# Allegro board MB1248D.brd (continued)
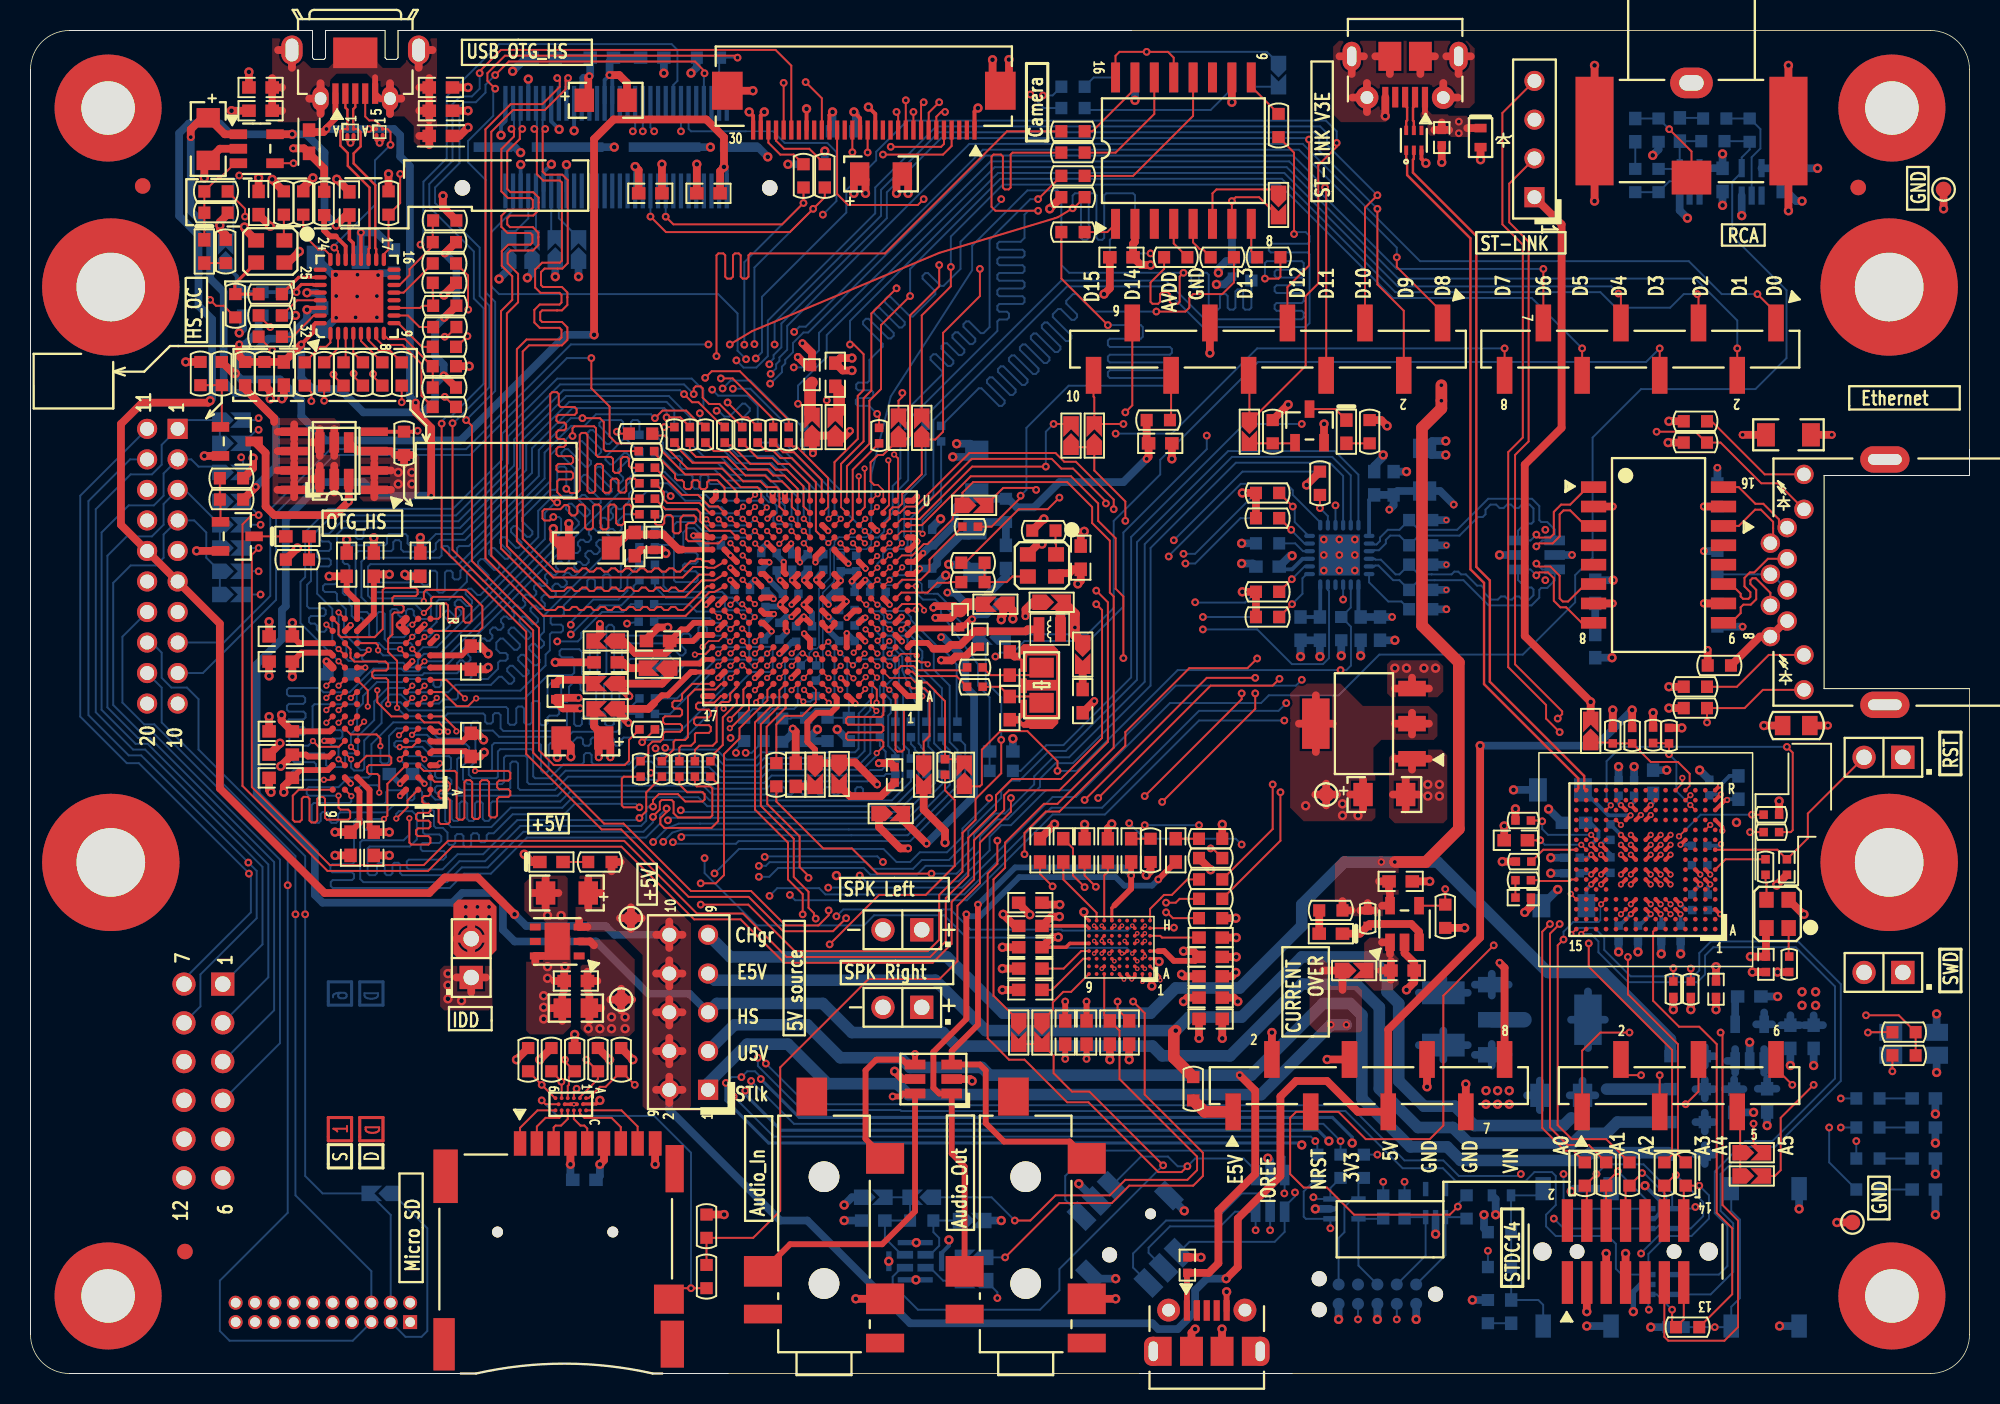
[diagram p0: board, top side]
## Footprints (pads in the part's own frame, mm; a bottom-side part is the same pattern mirrored in y, then rotated) (continued)
QSH-030-01-F-D-A
  round 1.016 hole 1.016 unplated: (-10.065,2.67) (10.065,2.67)
  rect 0.279x2.286 smd: 1(-7.25,-2.87) 2(-7.25,2.87) 3(-6.75,-2.87) 4(-6.75,2.87) 5(-6.25,-2.87) 6(-6.25,2.87) 7(-5.75,-2.87) 8(-5.75,2.87) 9(-5.25,-2.87) 10(-5.25,2.87) 11(-4.75,-2.87) 12(-4.75,2.87) 13(-4.25,-2.87) 14(-4.25,2.87) 15(-3.75,-2.87) 16(-3.75,2.87) 17(-3.25,-2.87) 18(-3.25,2.87) 19(-2.75,-2.87) 20(-2.75,2.87) 21(-2.25,-2.87) 22(-2.25,2.87) 23(-1.75,-2.87) 24(-1.75,2.87) 25(-1.25,-2.87) 26(-1.25,2.87) 27(-0.75,-2.87) 28(-0.75,2.87) 29(-0.25,-2.87) 30(-0.25,2.87) 31(0.25,-2.87) 32(0.25,2.87) 33(0.75,-2.87) 34(0.75,2.87) 35(1.25,-2.87) 36(1.25,2.87) 37(1.75,-2.87) 38(1.75,2.87) 39(2.25,-2.87) 40(2.25,2.87) 41(2.75,-2.87) 42(2.75,2.87) 43(3.25,-2.87) 44(3.25,2.87) 45(3.75,-2.87) 46(3.75,2.87) 47(4.25,-2.87) 48(4.25,2.87) 49(4.75,-2.87) 50(4.75,2.87) 51(5.25,-2.87) 52(5.25,2.87) 53(5.75,-2.87) 54(5.75,2.87) 55(6.25,-2.87) 56(6.25,2.87) 57(6.75,-2.87) 58(6.75,2.87) 59(7.25,-2.87) 60(7.25,2.87)
  rect 2.54x0.635 smd: 61(-8.065,0) 64(8.065,0)
  rect 4.699x0.635 smd: 62(-3.175,0) 63(3.175,0)
RCA_3SM_1TH_14X15
  oval 2.794x2.007 hole 1.6x1.016: 1(0,0)
  rect 2.591x2.21 smd: 2(0,6.2)
  rect 2.489x7.112 smd: 3(6.35,3.15) 4(-6.35,3.15)
RJ45_LED_KRJ-CB4R2GYZNL_EM
  round 1.27 hole 0.889: 1(3.57,-0.55) 2(2.55,0.55) 3(1.53,-0.55) 4(0.51,0.55) 5(-0.51,-0.55) 6(-1.53,0.55) 7(-2.55,-0.55) 8(-3.57,0.55) 9(7.06,-1.65) 10(4.77,-1.65) 11(-4.77,-1.65) 12(-7.06,-1.65)
  oval 1.727x3.226 hole 0.711x2.21: 13(-8.04,-6.95) 14(8.04,-6.95)
SB_0603
  round 0.152 smd: 1(-0.762,0) 2(0.762,0)
SC70-5
  rect 0.356x0.94 smd: 1(-0.65,-0.92) 2(0,-0.92) 3(0.65,-0.92) 4(0.65,0.92) 5(-0.65,0.92)
SIP2
  rect 1.524x1.524 hole 1.016: 1(0,0)
  round 1.524 hole 1.016: 2(2.54,0)
SOD-323
  rect 0.813x0.813 smd: 1(1.125,0) 2(-1.125,0)
SOIC8_1R27_4R9X6
  rect 0.559x1.778 smd: 1(-1.905,-2.624) 2(-0.635,-2.624) 3(0.635,-2.624) 4(1.905,-2.624) 5(1.905,2.624) 6(0.635,2.624) 7(-0.635,2.624) 8(-1.905,2.624)
SOIC16W_1R27_10R3X10R33
  rect 0.584x1.956 smd: 1(-4.445,-4.795) 2(-3.175,-4.795) 3(-1.905,-4.795) 4(-0.635,-4.795) 5(0.635,-4.795) 6(1.905,-4.795) 7(3.175,-4.795) 8(4.445,-4.795) 9(4.445,4.795) 10(3.175,4.795) 11(1.905,4.795) 12(0.635,4.795) 13(-0.635,4.795) 14(-1.905,4.795) 15(-3.175,4.795) 16(-4.445,4.795)
SOT23-5
  rect 0.635x1.143 smd: 1(-0.95,-1.2) 2(0,-1.2) 3(0.95,-1.2) 4(0.95,1.2) 5(-0.95,1.2)
SOT23-6
  rect 0.635x1.346 smd: 1(-0.95,-1.2) 2(0,-1.2) 3(0.95,-1.2) 4(0.95,1.2) 5(0,1.2) 6(-0.95,1.2)
SOT23-6L
  rect 0.635x1.346 smd: 1(-0.95,-1.2) 2(0,-1.2) 3(0.95,-1.2) 4(0.95,1.2) 5(0,1.2) 6(-0.95,1.2)
SOT-23
  rect 0.635x1.143 smd: 1(-0.95,-1.1) 2(0.95,-1.1) 3(0,1.1)
SOT-223
  rect 1.803x1.016 smd: 1(3.15,-2.3) 2(3.15,0) 3(3.15,2.3)
  rect 1.803x3.302 smd: 4(-3.15,0)
SOT-353
  rect 0.406x1.194 smd: 1(-0.65,-0.9) 2(0,-0.9) 3(0.65,-0.9) 4(0.65,0.9) 5(-0.65,0.9)
SQT-110-01-F-D-RA
  rect 1.321x1.321 hole 0.914: 1(9,1)
  round 1.321 hole 0.914: 2(7,1) 3(5,1) 4(3,1) 5(1,1) 6(-1,1) 7(-3,1) 8(-5,1) 9(-7,1) 10(-9,1) 11(9,-1) 12(7,-1) 13(5,-1) 14(3,-1) 15(1,-1) 16(-1,-1) 17(-3,-1) 18(-5,-1) 19(-7,-1) 20(-9,-1)
SSW-106-02-F-D-RA
  rect 1.524x1.524 hole 1.016: 1(0,0)
  round 1.524 hole 1.016: 2(-2.54,0) 3(-5.08,0) 4(-7.62,0) 5(-10.16,0) 6(-12.7,0) 7(0,-2.54) 8(-2.54,-2.54) 9(-5.08,-2.54) 10(-7.62,-2.54) 11(-10.16,-2.54) 12(-12.7,-2.54)
SSW-106-22-X-S-VS
  rect 1.016x2.413 smd: 1(-6.35,-1.714) 2(-3.81,1.714) 3(-1.27,-1.714) 4(1.27,1.714) 5(3.81,-1.714) 6(6.35,1.714)
SSW-108-22-X-S-VS
  rect 1.016x2.413 smd: 1(-8.89,-1.714) 2(-6.35,1.714) 3(-3.81,-1.714) 4(-1.27,1.714) 5(1.27,-1.714) 6(3.81,1.714) 7(6.35,-1.714) 8(8.89,1.714)
SSW-110-22-X-S-VS
  rect 1.016x2.413 smd: 1(-11.43,-1.714) 2(-8.89,1.714) 3(-6.35,-1.714) 4(-3.81,1.714) 5(-1.27,-1.714) 6(1.27,1.714) 7(3.81,-1.714) 8(6.35,1.714) 9(8.89,-1.714) 10(11.43,1.714)
TAN-A
  rect 1.27x1.524 smd: 1(1.397,0) 2(-1.397,0)
TAN-B
  rect 1.499x2.794 smd: 1(-1.714,0) 2(1.714,0)
TC2050-IDC-NL
  round 0.991 hole 0.991 unplated: (-3.81,0) (3.81,-1.015) (3.81,1.015)
  round 0.787 smd: 1(-2.54,-0.635) 2(-1.27,-0.635) 3(0,-0.635) 4(1.27,-0.635) 5(2.54,-0.635) 6(2.54,0.635) 7(1.27,0.635) 8(0,0.635) 9(-1.27,0.635) 10(-2.54,0.635)
TF_16SM_12R7X9R65
  rect 0.762x1.651 smd: 1(-4.445,-4.255) 2(-3.175,-4.255) 3(-1.905,-4.255) 4(-0.635,-4.255) 5(0.635,-4.255) 6(1.905,-4.255) 7(3.175,-4.255) 8(4.445,-4.255) 9(4.445,4.255) 10(3.175,4.255) 11(1.905,4.255) 12(0.635,4.255) 13(-0.635,4.255) 14(-1.905,4.255) 15(-3.175,4.255) 16(-4.445,4.255)
TP_C40
  round 1.016 smd: 1(0,0)
unnamed
  round 1.016 smd: (0,0)
XTAL_2SM_3R2X1R5
  rect 1.295x1.6 smd: 1(-1.15,0) 2(1.15,0)

## Nets
3V3_STLK: C61.2 C66.2 C122.2 C123.2 C124.2 C125.2 C126.2 C128.2 C129.2 C130.2 C131.2 C132.2 C133.2 C134.2 C135.2 C137.2 C138.2 C139.2 C140.2 C141.2 C144.2 C145.2 CN4.1 LD10.4 R110.1 R111.1 SB13.1 U9.C1 U9.C5 U9.C7 U9.C8 U9.C9 U9.F3 U9.G3 U9.G13 U9.H13 U9.J12 U9.J13 U9.K4 U9.N8 U9.N9 U9.N10 U9.P1 U9.R1 U20.5 X4.4
5V_USB_CHGR: C6.2 C53.1 CN2.1 D3.1 D5.1 JP6.9 R106.1 R109.2 U10.5
5V_USB_PWR: C75.2 CN14.1 D8.1 JP6.3
5V_USB_STLK: JP6.1 SB18.2
+1V8: C10.1 C42.1 C56.1 C57.1 C60.1 C85.1 CN15.60 R32.1 TP2.1 U4.28 U4.30 U8.2 U8.4 U12.D1 U12.D8 U12.G9
+3V3: B2.1 B2.4 C8.1 C9.1 C11.2 C13.1 C22.2 C23.1 C24.1 C25.1 C27.1 C29.1 C30.1 C35.1 C37.1 C38.1 C41.1 C44.1 C45.1 C59.1 C64.1 C65.1 C68.1 C69.2 C70.1 C79.2 C80.2 C81.2 C84.1 C99.2 C119.1 C121.1 C149.1 CN8.2 CN8.4 CN12.4 CN13.3 CN15.36 CN16.1 CN17.2 CN17.19 JP3.1 L8.2 LD1.1 LD2.1 LD3.1 LD4.1 P1.20 P1.30 P3.6 P3.12 R8.2 R9.1 R13.1 R17.2 R34.1 R46.2 R58.2 R63.1 R64.2 R68.1 R70.1 R71.2 R74.1 R75.1 R83.2 R99.2 R108.2 R115.1 R116.1 R117.1 R118.1 R119.1 R121.2 R123.2 R130.1 R131.1 R136.2 R177.1 R191.1 R192.1 R216.1 SB16.1 SB42.2 T3.4 T4.1 T4.2 T4.3 TP4.1 U3.2 U7.A7 U7.B2 U7.B7 U7.C9 U7.D9 U7.E1 U7.F9 U7.L1 U7.L7 U7.M9 U7.N9 U7.P2 U7.P7 U7.R7 U8.3 U11.2 U12.B2 U12.C2 U12.D2 U12.E9 U13.B1 U14.2 U15.5 U16.5 U18.9 X1.4 X2.4
+5V: C12.1 C54.1 CN8.5 JP6.2 JP6.4 JP6.6 JP6.8 JP6.10 L5.1 P2.6 P2.15 R85.2 R101.2 TP3.1 U2.5 U4.21 U11.3
GND: B1.1 B1.4 B3.5 B3.7 B3.8 C1.2 C2.2 C4.2 C5.2 C6.1 C7.2 C8.2 C9.2 C10.2 C11.1 C12.2 C13.2 C14.2 C16.1 C18.1 C19.2 C20.2 C21.1 C22.1 C23.2 C24.2 C25.2 C27.2 C28.1 C29.2 C30.2 C31.2 C32.1 C34.2 C35.2 C36.2 C37.2 C38.2 C40.1 C41.2 C42.2 C43.1 C44.2 C45.2 C46.2 C48.2 C49.2 C52.1 C53.2 C54.2 C55.1 C56.2 C57.2 C58.2 C59.2 C60.2 C61.1 C62.2 C63.1 C64.2 C65.2 C66.1 C67.1 C68.2 C69.1 C70.2 C73.1 C74.1 C75.1 C79.1 C80.1 C81.1 C82.1 C83.2 C84.2 C85.2 C86.2 C87.2 C88.1 C89.1 C90.1 C91.2 C92.2 C93.2 C94.2 C95.2 C96.2 C97.2 C98.2 C99.1 C100.2 C101.1 C102.2 C103.1 C104.2 C105.2 C106.2 C107.2 C108.2 C109.2 C110.2 C111.1 C112.1 C113.2 C114.1 C115.2 C116.2 C117.2 C118.2 C119.2 C120.1 C121.2 C122.1 C123.1 C124.1 C125.1 C126.1 C127.1 C128.1 C129.1 C130.1 C131.1 C132.1 C133.1 C134.1 C135.1 C136.1 C137.1 C138.1 C139.1 C140.1 C141.1 C142.1 C143.2 C144.1 C145.1 C146.2 C147.1 C148.2 C149.2 C150.2 CN2.5 CN2.6 CN2.7 CN2.8 CN2.9 CN2.10 CN2.11 CN3.1 CN3.3 CN3.4 CN4.3 CN5.7 CN8.6 CN8.7 CN10.3 CN11.3 CN12.6 CN12.9 CN13.5 CN13.7 CN14.5 CN14.6 CN14.7 CN14.8 CN14.9 CN14.10 CN14.11 CN15.1 CN15.6 CN15.7 CN15.12 CN15.13 CN15.18 CN15.19 CN15.61 CN15.62 CN15.63 CN15.64 CN16.3 CN16.5 CN17.1 CN17.20 D1.B1 D1.B2 D2.B1 D2.B2 D3.2 D4.2 D4.5 D9.2 D10.2 D11.2 D12.2 D13.2 D14.2 D15.2 H1.1 H2.1 H3.1 H4.1 H5.1 H6.1 H7.1 H8.1 JP1.1 L1.1 L4.1 LD8.2 LD10.1 P1.1 P1.14 P1.16 P1.23 P1.29 P1.31 P1.32 P2.5 P2.16 P3.5 P3.11 R10.2 R11.1 R14.2 R22.2 R30.2 R31.2 R44.2 R45.2 R57.2 R61.1 R79.2 R80.2 R81.2 R84.1 R86.2 R94.1 R95.1 R97.2 R98.2 R100.1 R107.1 R112.1 R128.1 R138.1 R163.2 R173.2 R190.2 R196.2 R214.2 SB9.2 SB26.2 SB27.2 SB28.2 SB29.2 SB43.1 T1.2 T2.2 T5.2 TP1.1 TP5.1 U1.3 U2.2 U3.10 U4.33 U6.A1 U6.A17 U6.B2 U6.C10 U6.C13 U6.G7 U6.G8 U6.G9 U6.G10 U6.G11 U6.G16 U6.H7 U6.H8 U6.H9 U6.H10 U6.H11 U6.J3 U6.J7 U6.J8 U6.J9 U6.J10 U6.J11 U6.J16 U6.J17 U6.K7 U6.K8 U6.K9 U6.K10 U6.K11 U6.K15 U6.L7 U6.L8 U6.L9 U6.L10 U6.L11 U6.L15 U6.M15 U6.N1 U6.N16 U6.P1 U6.R4 U6.R8 U6.U1 U6.U17 U7.A3 U7.B3 U7.B8 U7.C1 U7.D1 U7.E9 U7.F1 U7.L3 U7.L9 U7.M1 U7.N1 U7.P3 U7.P8 U7.R3 U8.1 U9.D5 U9.D7 U9.D8 U9.D9 U9.F2 U9.F6 U9.F7 U9.F8 U9.F9 U9.F10 U9.F12 U9.G2 U9.G6 U9.G7 U9.G8 U9.G9 U9.G10 U9.G12 U9.H6 U9.H7 U9.H8 U9.H9 U9.H10 U9.H12 U9.J6 U9.J7 U9.J8 U9.J9 U9.J10 U9.K6 U9.K7 U9.K8 U9.K9 U9.K10 U9.M1 U9.M8 U9.M9 U9.N1 U10.2 U11.6 U11.7 U12.A1 U12.A3 U12.A4 U12.A5 U12.C1 U12.D6 U12.E2 U12.E7 U12.E8 U12.F7 U12.G5 U12.H9 U13.B2 U13.B3 U13.B4 U14.10 U15.3 U16.3 U17.2 U18.25 U19.1 U20.2 U21.5 X1.2 X2.2 X4.2
GND-SD: C15.1 C26.1 C33.1 C39.1 C152.1 C153.2 SB9.1 U6.B6 U6.C16 U6.F2 U6.T12
GNDDETECT: CN13.11 R95.2 U9.K13
VBUS_HS: CN1.1 D2.A1 D7.1 JP6.5 L2.2
VDD_MCU: C36.1 C91.1 C93.1 C94.1 C95.1 C96.1 C97.1 C98.1 C100.1 C102.1 C104.1 C105.1 C106.1 C107.1 C108.1 C109.1 C110.1 C115.1 C116.1 C117.1 C118.1 JP3.2 L6.1 L7.1 SB10.1 SB49.1 U6.E6 U6.E9 U6.E11 U6.F5 U6.G5 U6.G13 U6.H5 U6.H13 U6.J13 U6.K5 U6.K13 U6.L5 U6.L13 U6.M5 U6.M13 U6.N7 U6.N8 U6.N10 U6.N11 U6.N12 U6.P17
VDD_SDC: L3.1 SB19.2 SB46.1 SB48.1 U6.G2
VDDA: C92.1 C101.2 L6.2 R158.1 U6.L1
VIN: C143.1 CN8.8 U19.3
A0: R199.1 U7.G8
A1: R198.1 U7.G9
A2: R185.1 U7.F7
A3: R186.1 U7.F3
A4: R197.1 U7.G1
A5: R184.1 U7.G2
A6: R143.1 U7.G3
A7: R145.1 U7.H1
A8: R53.1 U7.H2
A9: R147.1 U7.J3
A10: R55.1 U7.G7
A11: R54.1 U7.H9
A12: R172.1 U7.H3
A14: R168.1 U7.J7
A15: R169.1 U7.H8
BK2_IO0: R3.1 R125.1 R141.2
BK2_IO1: R19.2 R134.2 R139.2
BK2_IO2: R6.1 R124.1 R181.2
BK2_IO3: R18.2 R135.2 R178.2
BOOT0: R192.2 R196.1 U6.E8
CAMERA_CLK: P1.21 R24.2
D0: R67.1 U7.R8
D1: R65.1 U7.N7
D2: R182.1 U7.R9
D3: R180.1 U7.N8
D4: R52.1 U7.P9
D5: R51.1 U7.M8
D6: R148.1 U7.M7
D7: R146.1 U7.L8
D8: R151.1 U7.L2
D9: R149.1 U7.M3
D10: R49.1 U7.M2
D11: R50.1 U7.P1
D12: R150.1 U7.N2
D13: R59.1 U7.R1
D14: R62.1 U7.N3
D15: R60.1 U7.R2
D16: R152.2 U7.E8
D17: R159.2 U7.D7
D18: R165.2 U7.D8
D19: R162.2 U7.B9
D20: R154.2 U7.C8
D21: R183.2 U7.A9
D22: R88.2 U7.C7
D23: R89.2 U7.A8
D24: R90.1 U7.A2
D25: R92.1 U7.C3
D26: R91.1 U7.A1
D27: R195.1 U7.C2
D28: R187.1 U7.B1
D29: R188.1 U7.D2
D30: R200.1 U7.D3
D31: R201.1 U7.E2
DCMI_D0: CN17.10 P1.4 P2.11 P3.7 U6.F14
DCMI_D1: CN17.5 P1.5 P2.17 U6.F13
DCMI_D2: P1.6 U6.A9
DCMI_D3: P1.7 R119.2 U6.E14 U13.A1
DCMI_D4: P1.8 R116.2 U6.B13 U13.A5
DCMI_D5: CN17.4 P1.9 P2.18 SB40.1 U6.B12
DCMI_D6: P1.10 P2.20 U6.D5
DCMI_D7: CN17.6 P1.11 P2.19 U6.D4
DSI_VDD12: C19.1 C20.1 C21.2 U6.N17
E5V: C146.1 D6.1 JP6.7 R120.1 U19.2 U19.4
EGND: C17.1 CN7.13 CN7.14 R81.1
LED_STLK: R113.2 R114.2 U9.D15
MCO: C55.2 R104.2
MIC_CLK: SB44.1 SB45.1 U21.3
MIC_DATA: SB21.1 SB22.1 U21.4
NCS2: R8.1 R176.2 SB47.1 U3.7 U14.7
NETB2_2: B2.2 B2.3 C151.1 D10.1 R214.1 R215.1
NETC1_1: C1.1 C2.1 C4.1 C5.1 CN1.5 CN1.6 CN1.7 CN1.8 CN1.9 CN1.10 L1.2
NETC3_1: C3.1 C76.1 CN15.21 CN15.23 L5.2
NETC3_2: C3.2 C76.2 CN15.27 CN15.29 L4.2
NETC7_1: C7.1 L2.1 R12.2 R66.2 U2.1
NETC15_2: C15.2 SB14.1
NETC16_2: C16.2 SB1.1
NETC17_2: C17.2 R76.1 R156.1 R166.1 R174.1
NETC26_2: C26.2 L7.2 U6.F1
NETC28_2: C28.2 SB10.2 U6.F17 U6.G17
NETC31_1: C31.1 R77.1 X3.2
NETC32_2: C32.2 SB12.1
NETC33_2: C33.2 SB11.1
NETC34_1: C34.1 R78.1 X3.1
NETC39_2: C39.2 SB2.1
NETC40_2: C40.2 SB15.1
NETC43_2: C43.2 U9.J14
NETC46_1: C46.1 U12.E6
NETC47_1: C47.1 U12.H8
NETC47_2: C47.2 U12.G8
NETC48_1: C48.1 U12.G7
NETC49_1: C49.1 U12.H7
NETC50_1: C50.1 CN11.6 D4.3 U12.H6
NETC50_2: C50.2 R98.1
NETC51_1: C51.1 CN11.4 D4.1 U12.G6
NETC51_2: C51.2 R97.1
NETC52_2: C52.2 JP1.2 U9.J1
NETC58_1: C58.1 U12.F1
NETC62_1: C62.1 U12.D9
NETC63_2: C63.2 SB18.1 U10.1
NETC67_2: C67.2 U12.C9
NETC71_1: C71.1 U12.D7
NETC71_2: C71.2 CN10.6 D4.4
NETC72_1: C72.1 U12.B7
NETC72_2: C72.2 CN10.4 D4.6
NETC73_2: C73.2 SB41.2 U12.A7
NETC74_2: C74.2 U12.B6
NETC77_1: C77.1 R129.1 R132.2 U16.4
NETC77_2: C77.2 R126.1
NETC78_1: C78.1 CN3.2 R128.2
NETC78_2: C78.2 R133.1
NETC82_2: C82.2 C83.1 U4.20
NETC86_1: C86.1 C88.2 C89.2 C103.2 C111.2 C112.2 L8.1 R161.2 R164.2 R167.2 R170.2 U5.2 U5.7 U17.5 U18.1 U18.19
NETC113_1: C113.1 C114.2 U18.6
NETC127_2: C127.2 U9.M10
NETC136_2: C136.2 U9.F13
NETC142_2: C142.2 U20.4
NETC147_2: C147.2 C148.1 D5.2 D6.2 D7.2 D8.2 U20.1 U20.3
NETC150_1: C150.1 R213.2 SB41.1 SB42.1 U21.1
NETC151_2: C151.2 R216.2
NETC152_2: C152.2 SB19.1
NETC153_1: C153.1 L3.2 U6.E1
NETCN1_2: CN1.2 D1.A1 U4.19
NETCN1_3: CN1.3 D1.A2 U4.18
NETCN1_4: CN1.4 D2.A2 U4.23
NETCN5_8: CN5.8 R43.1
NETCN6_4: CN6.4 SB39.2
NETCN6_6: CN6.6 SB4.1
NETCN7_1: CN7.1 U5.16
NETCN7_2: CN7.2 U5.14
NETCN7_3: CN7.3 U5.11
NETCN7_4: CN7.4 CN7.5 R166.2
NETCN7_6: CN7.6 U5.9
NETCN7_7: CN7.7 CN7.8 R76.2
NETCN7_9: CN7.9 R44.1
NETCN7_10: CN7.10 R57.1 U18.3
NETCN7_11: CN7.11 R79.1
NETCN7_12: CN7.12 R80.1 R177.2 SB17.2 U18.2
NETCN8_1: CN8.1 R120.2
NETCN9_5: CN9.5 SB23.2 SB24.2
NETCN9_6: CN9.6 SB6.2 SB7.2
NETCN12_1: CN12.1 U13.C6
NETCN12_2: CN12.2 U13.C5
NETCN12_3: CN12.3 U13.C4
NETCN12_5: CN12.5 U13.C3
NETCN12_7: CN12.7 U13.C2
NETCN12_8: CN12.8 U13.C1
NETCN12_10: CN12.10 R122.2 U13.B5
NETCN15_3: CN15.3 U6.L16
NETCN15_5: CN15.5 U6.L17
NETCN15_8: CN15.8 SB29.1
NETCN15_9: CN15.9 U6.M16
NETCN15_10: CN15.10 SB28.1
NETCN15_11: CN15.11 U6.M17
NETCN15_14: CN15.14 SB27.1
NETCN15_15: CN15.15 U6.K16
NETCN15_16: CN15.16 SB26.1
NETCN15_17: CN15.17 U6.K17
NETCN16_2: CN16.2 D12.1 R208.1
NETCN16_4: CN16.4 D12.3 R207.1
NETCN16_6: CN16.6 D12.4 R206.1
NETCN16_8: CN16.8 D12.5 R212.1
NETCN16_9: CN16.9 D11.3 R211.1
NETCN16_10: CN16.10 D11.1 R210.1
NETCN17_3: CN17.3 SB40.2
NETJP2_1: JP2.1 U12.A2
NETJP2_2: JP2.2 U12.B1
NETJP5_1: JP5.1 U12.B3
NETJP5_2: JP5.2 U12.C3
NETLD1_2: LD1.2 R203.2
NETLD2_2: LD2.2 R204.2
NETLD3_2: LD3.2 R205.2
NETLD4_2: LD4.2 R209.2
NETLD5_1: LD5.1 R17.1
NETLD5_2: LD5.2 R7.2 R13.2 U2.3
NETLD6_1: LD6.1 R46.1
NETLD6_2: LD6.2 T1.3
NETLD7_1: LD7.1 R71.1
NETLD7_2: LD7.2 T5.3
NETLD8_1: LD8.1 R101.1
NETLD9_1: LD9.1 R106.2
NETLD9_2: LD9.2 R109.1 U10.3
NETLD10_2: LD10.2 R113.1
NETLD10_3: LD10.3 R114.1
NETP1_27: P1.27 R5.2
NETP1_28: P1.28 R4.2
NETP2_13: P2.13 SB3.1
NETR1_2: R1.2 U3.9
NETR2_2: R2.2 U3.15
NETR3_2: R3.2 U3.14
NETR6_2: R6.2 U3.12
NETR9_2: R9.2 X1.1
NETR10_1: R10.1 U4.24
NETR11_2: R11.2 U2.4 U4.17
NETR12_1: R12.1 U4.22
NETR15_1: R15.1 U3.1
NETR18_1: R18.1 U3.4
NETR19_1: R19.1 U3.5
NETR20_1: R20.1 U3.8
NETR21_1: R21.1 U4.13
NETR23_1: R23.1 U4.26
NETR26_1: R26.1 U4.29
NETR27_1: R27.1 U4.10
NETR28_1: R28.1 U4.31
NETR29_1: R29.1 U4.9
NETR31_1: R31.1 R32.2 T2.1
NETR35_1: R35.1 U4.1
NETR36_1: R36.1 U4.2
NETR37_1: R37.1 U4.3
NETR38_1: R38.1 U4.4
NETR39_1: R39.1 U4.5
NETR40_1: R40.1 U4.6
NETR42_1: R42.1 U4.7
NETR45_1: R45.1 SB5.1 T1.1
NETR47_1: R47.1 U7.J2
NETR48_1: R48.1 U6.T11
NETR49_2: R49.2 U6.T10
NETR50_2: R50.2 U6.U10
NETR51_2: R51.2 U6.T9
NETR52_2: R52.2 U6.U9
NETR53_2: R53.2 U6.P8
NETR54_2: R54.2 U6.U8
NETR55_2: R55.2 U6.T8
NETR56_1: R56.1 U6.R6
NETR59_2: R59.2 U6.U16
NETR60_2: R60.2 U6.T16
NETR61_2: R61.2 R66.1 T5.1
NETR62_2: R62.2 U6.T17
NETR63_2: R63.2 R153.1 U18.14
NETR64_1: R64.1 R155.1 U18.12
NETR65_2: R65.2 U6.P15
NETR67_2: R67.2 U6.P16
NETR68_2: R68.2 R160.1 U18.11
NETR69_2: R69.2 U6.K2
NETR70_2: R70.2 X2.1
NETR72_2: R72.2 U18.5
NETR74_2: R74.2 R171.1 U18.8
NETR75_2: R75.2 R175.1 U18.7
NETR82_2: R82.2 U6.H15
NETR83_1: R83.1 R86.1 U9.N3
NETR87_1: R87.1 SB45.2
NETR88_1: R88.1 U6.B17
NETR89_1: R89.1 U6.B16
NETR90_2: R90.2 U6.A16
NETR91_2: R91.2 U6.B15
NETR92_2: R92.2 U6.A15
NETR93_2: R93.2 U6.B9
NETR94_2: R94.2 U9.L4
NETR99_1: R99.1 U12.D4 U12.D5
NETR100_2: R100.2 U9.J15
NETR102_1: R102.1 X4.3
NETR102_2: R102.2 U9.G1
NETR103_2: R103.2 U12.H1
NETR104_1: R104.1 U9.F15
NETR105_2: R105.2 U12.F3
NETR108_1: R108.1 U12.G2
NETR110_2: R110.2 X4.1
NETR111_2: R111.2 U9.C6
NETR112_2: R112.2 U9.D6
NETR124_2: R124.2 U14.9
NETR125_2: R125.2 U14.15
NETR126_2: R126.2 R127.1 U15.2
NETR132_1: R132.1 R133.2 U16.2
NETR134_1: R134.1 U14.8
NETR135_1: R135.1 U14.1
NETR136_1: R136.1 R137.1 R138.2 SB30.2 U4.27
NETR139_1: R139.1 U6.P2
NETR140_2: R140.2 U6.L4
NETR141_1: R141.1 U6.N2
NETR142_1: R142.1 U6.P4
NETR143_2: R143.2 U6.R7
NETR144_2: R144.2 U6.T7
NETR145_2: R145.2 U6.P7
NETR146_2: R146.2 U6.N9
NETR147_2: R147.2 U6.R9
NETR148_2: R148.2 U6.P9
NETR149_2: R149.2 U6.R10
NETR150_2: R150.2 U6.R11
NETR151_2: R151.2 U6.P10
NETR152_1: R152.1 U6.T13
NETR154_1: R154.1 U6.R14
NETR156_2: R156.2 U5.15
NETR157_1: R157.1 U6.R15
NETR159_1: R159.1 U6.R13
NETR162_1: R162.1 U6.P14
NETR163_1: R163.1 U18.10
NETR165_1: R165.1 U6.P13
NETR168_2: R168.2 U6.H14
NETR169_2: R169.2 U6.G14
NETR172_2: R172.2 U6.H16
NETR173_1: R173.1 U18.24
NETR174_2: R174.2 U5.10
NETR176_1: R176.1 U6.G15
NETR178_1: R178.1 U6.D8
NETR179_2: R179.2 U6.F15
NETR180_2: R180.2 U6.E12
NETR181_1: R181.1 U6.A10
NETR182_2: R182.2 U6.D13
NETR183_1: R183.1 U6.D16
NETR184_2: R184.2 U6.J4
NETR185_2: R185.2 U6.G1
NETR186_2: R186.2 U6.H4
NETR187_2: R187.2 U6.A2
NETR188_2: R188.2 U6.B3
NETR189_2: R189.2 U6.D6
NETR190_1: R190.1 R191.2 U6.E7
NETR193_2: R193.2 U6.C9
NETR194_2: R194.2 U6.D9
NETR195_2: R195.2 U6.C14
NETR197_2: R197.2 U6.J5
NETR198_2: R198.2 U6.G3
NETR199_2: R199.2 U6.G4
NETR200_2: R200.2 U6.E2
NETR201_2: R201.2 U6.F3
NETR213_1: R213.1 SB43.2 U21.2
NETSB1_2: SB1.2 SB2.2 SB11.2 SB12.2 SB14.2 SB15.2 SB46.2 U6.A7 U6.D17 U6.U11
NETSB8_1: SB8.1 U18.13
NETSB16_2: SB16.2 U6.B1
NETSB22_2: SB22.2 U12.A9
NETSB25_1: SB25.1 U14.16
NETSB44_2: SB44.2 U12.C6
NETSB47_2: SB47.2 U3.6
NETSB48_2: SB48.2 SB49.2 U6.A6 U6.C17 U6.U12
NRST: B1.2 B1.3 CN8.3 CN13.12 D13.1 D14.5 P1.26 R202.2 R210.2 R220.2 SB30.1 U18.15
OSC_24M: R23.2 R24.1 X1.3
OSC_25M: R72.1 R73.2 X2.3
PA0: SB31.1 U6.N5
PA0_C: CN9.3 U6.T1
PA1: R153.2 U6.N4
PA1_C: CN9.4 U6.T2
PA2: R155.2 U6.N3
PA4: CN9.1 P1.17 SB3.2 U6.U3
PA5: R35.2 U6.T3
PA6: P1.15 SB4.2 U6.R3
PA7: R160.2 U6.R5
PA8: CN15.45 U6.E15
PA9: CN13.14 D15.3 R221.2 U6.D15
PA10: CN13.13 D15.1 R222.1 U6.D14
PA11: SB32.1 U6.E17
PA12: SB38.1 U6.E16
PA13: CN13.4 D14.4 JP4.2 R208.2 R217.2 U6.C15
PA14: CN13.6 D14.3 JP4.1 R207.2 R218.2 U6.B14
PA15: R212.2 U6.A14
PB2: R56.2 SB25.2 U3.13 U3.16
PB3: CN13.8 D14.1 R206.2 R219.2 U6.C6
PB4: R211.2 U6.B7
PB6: CN15.47 U6.B5
PB7: P1.19 U6.C5
PB14: CN17.8 P2.9 U6.U15
PB15: P2.8 U6.T15
PC0: R26.2 U6.L2
PC1: SB8.2 SB21.2 U6.M2
PC2: SB36.1 U6.M3
PC2_C: SB23.1 U6.R1
PC3: SB34.1 U6.M4
PC3_C: SB6.1 U6.R2
PC4: R171.2 U6.T4
PC5: R175.2 U6.U4
PC8: R118.2 U6.E13 U13.A2
PC10: R115.2 U6.A13 U13.A6
PC12: U6.C12 U13.A3
PC13: R215.2 U6.E3
PC14: R77.2 U6.C2
PC15: R78.2 U6.C1
PD2: R117.2 U6.D12 U13.A4
PD4: SB37.1 U6.A12
PD5: SB33.1 U6.A11
PD6: SB35.1 U6.B11
PD7: R127.2 R129.2 U6.C11 U15.4
PD11: R2.1 R157.2
PD12: CN5.10 CN15.44 P2.7 R4.1 R103.1 R131.2 SB7.1 U6.R16
PD13: CN5.9 CN15.40 P2.10 R5.1 R105.1 R130.2 SB24.1 U6.R17
PE0: U6.C4 U7.K9
PE1: U6.B4 U7.K1
PE2: R87.2 SB17.1 U6.C3
PE3: U6.D3 U12.F2
PE4: CN15.37 U6.D2 U12.E3
PE5: CN15.35 U6.D1 U12.G1
PE6: CN15.39 U6.E5 U12.E4
PF6: R15.2 R69.1
PF7: R1.1 U6.K3
PF8: P2.14 SB39.1 U6.K4
PF9: R20.2 R140.1
PF10: CN9.2 U6.L3
PF11: R144.1 U7.J9
PG3: CN15.57 R82.1 R123.1
PG7: U6.F16 U12.D3
PG8: R179.1 U7.J1
PG11: R93.1 U18.16
PG12: R193.1 U18.18
PG13: R194.1 U18.17
PG15: R189.1 U7.K7
PH0: R73.1 U6.J2
PH1: U6.J1
PH4: R36.2 U6.P3
PH5: R142.2 U7.K8
PH6: R48.2 U7.J8
PH7: R47.2 U6.U13
PI4: U6.A4 U7.F8
PI5: U6.A3 U7.F2
PI8: R121.1 R122.1 U6.E4
PI11: R28.2 U6.F4
PI12: R203.1 U6.H1
PI13: R204.1 U6.H2
PI14: R205.1 U6.H3
PI15: R209.1 U6.P5
PJ0: CN6.8 U6.N6
PJ1: R7.1 U6.P6
PJ2: CN15.49 U6.T6
PJ3: CN6.3 U6.U6
PJ4: CN6.5 U6.U7
PJ5: CN5.1 U6.R12
PJ6: CN5.2 U6.N15
PJ7: CN6.7 U6.N14
PJ8: CN6.2 U6.N13
PJ9: CN6.1 U6.M14
PJ10: CN5.4 U6.L14
PJ11: CN5.5 U6.K14
PJ12: CN15.53 U6.D11
PJ13: CN17.12 P2.12 P3.8 U6.E10
PJ14: P1.25 U6.D10
PJ15: U6.B10 U12.G3
PK0: CN5.6 SB5.2 U6.J14
PK1: CN5.3 U6.J15
PK2: B3.2 D9.6 U6.H17
PK3: B3.3 D9.5 U6.C8
PK4: B3.1 D9.4 U6.B8
PK5: B3.4 D9.3 U6.A8
PK6: B3.6 D9.1 U6.C7
PK7: CN15.4 U6.D7
PMOD#1: P2.1 P3.1 SB31.2 SB32.2
PMOD#2: CN17.7 P2.2 P3.2 SB33.2 SB34.2
PMOD#3: P2.3 P3.3 SB35.2 SB36.2
PMOD#4: P2.4 P3.4 SB37.2 SB38.2
RD_N: R167.1 U5.8 U17.1 U18.22
RD_P: R170.1 U5.6 U17.6 U18.23
REFSEL0: R30.1 R41.1 U4.8
REFSEL1: R22.1 R25.1 U4.11
REFSEL2: R14.1 R16.1 U4.14
RESET#: C120.2 R202.1 U6.K1
STLK_SWCLK: CN4.2 D15.4 U9.A14
STLK_SWDIO: CN4.4 D15.5 U9.A15
STLK_VCP_RX: R221.1 U9.C10
STLK_VCP_TX: R222.2 U9.A7
T1_D: R33.1 T3.1 T3.2 T3.5 T3.6 T4.5 T4.6 T4.7 T4.8
T1_G: R58.1 T2.3 T3.3 T4.4
T_NRSTA: R220.1 U9.P4
T_PWR_EN: R107.2 U9.R5 U10.4
T_PWR_EXT: R84.2 R85.1 SB13.2 U9.R4
T_SW_DIR: U9.R3
T_SWCLKA: R218.1 U9.M11
T_SWDIO_IN: R96.1 U9.N12
T_SWDIOA: R96.2 R217.1 U9.L2
T_SWOA: R219.1 U9.D12
TD_N: R161.1 U5.3 U17.4 U18.20
TD_P: R164.1 U5.1 U17.3 U18.21
ULPI_D0: R37.2 U6.U2
ULPI_D1: R38.2 U6.U5
ULPI_D2: R39.2 U6.T5
ULPI_D3: R40.2 U6.P11
ULPI_D4: R42.2 U6.P12
ULPI_D5: R29.2 U6.T14
ULPI_D6: R27.2 U6.U14
ULPI_D7: R21.2 U6.A5
USB_DEV_HS_CN_N: CN2.2 U1.5
USB_DEV_HS_CN_P: CN2.3 U1.6
USB_DEV_HS_N: U1.2 U9.R14
USB_DEV_HS_P: U1.1 U9.R15
USB_VDDIO: C14.1 R16.2 R25.2 R33.2 R34.2 R41.2 R137.2 U4.32
VREF+: C18.2 C87.1 C90.2 R43.2 R158.2 U6.M1

Pads without a net: CN2 4; CN10 2 5 7; CN11 2 5 7; CN12 11 12 13 14; CN13 1 2 9 10; CN14 2 3 4; CN15 2 20 22 24 25 26 28 30 31 32 33 34 38 41 42 43 46 48 50 51 52 54 55 56 58 59; CN16 7; CN17 9 11 13 14 15 16 17 18; D11 4 5; P1 2 3 12 13 18 22 24; P3 9 10; U1 4; U3 3 11; U4 12 15 16 25; U5 4 5 12 13; U7 E3 E7 H7 K2 K3; U9 A1 A2 A3 A4 A5 A6 A8 A9 A10 A11 A12 A13 B1 B2 B3 B4 B5 B6 B7 B8 B9 B10 B11 B12 B13 B14 B15 C2 C3 C4 C11 C12 C13 C14 C15 D1 D2 D3 D4 D10 D11 D13 D14 E1 E2 E3 E4 E12 E13 E14 E15 F1 F4 F14 G4 G14 G15 H1 H2 H3 H4 H14 H15 J2 J3 J4 K1 K2 K3 K12 K14 K15 L1 L3 L12 L13 L14 L15 M2 M3 M4 M5 M6 M7 M12 M13 M14 M15 N2 N4 N5 N6 N7 N11 N13 N14 N15 P2 P3 P5 P6 P7 P8 P9 P10 P11 P12 P13 P14 P15 R2 R6 R7 R8 R9 R10 R11 R12 R13; U11 1 4 5; U12 A6 A8 B4 B5 B8 B9 C4 C5 C7 C8 E1 E5 F4 F5 F6 F8 F9 G4 H2 H3 H4 H5; U14 3 4 5 6 11 12 13 14; U15 1; U16 1; U18 4

## Via types
v1: diameter 0.508, hole 0.254, TOP to BOTTOM, 444 vias
v2: diameter 0.406, hole 0.203, TOP to BOTTOM, 346 vias
v3: diameter 0.305, hole 0.152, TOP to BOTTOM, 31 vias
v4: diameter 0.61, hole 0.305, TOP to BOTTOM, 356 vias

## Routing (per net, layer and track width the routed paths; a pad name or vN(x,y) marks a point on that pad's centre or on a via; arc(x,y) is an arc through that point)
3V3_STLK: length 75
  TOP w0.254: U9.J13 v2(102.22,34.64) ; U9.P1 v2(110.72,37.94) ; U9.N9 v2(104.82,37.24) ; U9.C9 v2(104.82,30.09) ; U9.C5 v2(108.07,30.09) ; U9.J12 v2(102.87,34.64) ; U9.H13 v2(102.22,33.99) ; U9.C7 v2(106.77,30.09) ; U9.G13 v2(102.22,32.69) ; U9.N10 v2(104.17,37.24) ; U9.G3 v2(109.37,32.69) ; U9.C1 v2(110.67,30.09) ; U9.N8 v2(106.12,37.24) ; U9.K4 v2(108.07,34.65) ; U9.C8 v2(106.12,30.09) ; U9.F3 v2(109.37,32.04) ; U9.R1 v2(110.67,38.54)
  TOP w0.508: C66.2 v4(110.4,26.65) ; CN4.1 100.28,75.3 100.28,61.96 97.87,59.55 97.87,48.33 v4(102.19,44.01) SB13.1 ; X4.4 113.67,29.15 C61.2 v4(112.65,27.32) ; R111.1 v4(107.6,23.84) ; R110.1 v4(114.43,26.3)
  BOTTOM w0.254: C140.2 105.38,29.35 v2(106.12,30.09) ; C131.2 102.02,33.8 v2(102.22,33.99) ; v2(108.07,30.09) 108.08,30.08 C138.2 ; v2(109.37,32.04) 108.84,31.52 C135.2 ; C125.2 105.03,37.46 v2(104.82,37.24) ; C134.2 102.14,32.78 v2(102.22,32.69) ; v2(110.67,38.54) 111.28,39.16 C123.2 ; v2(104.17,37.24) 104.02,37.4 C126.2 ; C130.2 108.76,34.65 v2(108.07,34.65) ; C129.2 103.19,34.96 v2(102.87,34.64) 103.48,34.03 C133.2 ; C141.2 104.08,29.35 v2(104.82,30.09) ; v2(110.67,30.09) 110.4,30.37 C137.2 ; C132.2 108.82,33.25 v2(109.37,32.69) ; C122.2 106.28,37.4 v2(106.12,37.24) ; v2(102.22,34.64) 102.7,35.12 102.7,35.55 102.16,36.08 C128.2 ; C124.2 110.01,37.94 110.71,37.94 v2(110.72,37.94) ; C139.2 106.81,30.05 v2(106.77,30.09)
  BOTTOM w0.508: 113.03,22.88 U20.5 ; U20.5 113.55,23.66 ; U20.5 114.07,22.88 ; LD10.4 v4(124.85,19.73) ; C145.2 115.27,23.47 ; C145.2 115.88,22.82 ; C145.2 114.66,22.82 ; 116.18,22.82 C144.2 ; C144.2 117.4,22.82 ; C144.2 116.79,23.47
  vias: v4(116.03,25.01) v4(116.03,24.12) v4(116.92,25.01) v4(116.92,24.12)
5V_USB_CHGR: length 139
  TOP w0.381: CN2.1 91.34,82.6
  TOP w0.508: 88.33,32.25 C53.1 88.98,31.64 ; 87.1,30.34 R109.2 ; R109.2 87.58,30.82 ; R109.2 88.07,30.34 ; C6.2 92.44,81.97 ; C6.2 91.95,81.49 ; C6.2 92.92,81.49 ; 89.05,31.43 U10.5 88.53,30.65 ; 86.53,30.34 R106.1 85.93,30.95 ; D3.1 94.1,81.61
  TOP w0.762: v1(92.41,64.76) v1(92.41,63.74) 92.41,63.23 91.14,61.96 91.14,49.01 93.55,46.6 93.55,35.68 91.39,33.52 v1(89.36,33.52)
  L4_SIG w0.762: v1(92.41,63.74) v1(92.41,64.76) 92.41,77.46 93.55,78.6 v1(93.55,81.27) v1(93.55,82.03)
  BOTTOM w0.762: D5.1 107.41,21.89 103.03,26.28 99.4,26.28 92.16,33.52 v1(89.36,33.52) v1(88.47,33.52) 86.06,33.52 83.27,30.72 83.27,29.33 79.2,25.26 75.01,25.26 73.36,23.61 63.71,23.61 60.03,27.29 45.83,27.29 JP6.9
5V_USB_PWR: length 93.3
  TOP w0.381: CN14.1 75.74,6.56 C75.2
  TOP w0.508: C75.2 77.17,6.59 77.81,7.23 77.81,10.66 80.22,13.07 80.22,18.53 v1(79.2,19.55)
  BOTTOM w0.762: D8.1 107.29,14.47 102.19,14.47 101.68,13.96 93.68,13.96 92.79,14.85 90.38,14.85 87.2,18.02 87.2,23.48 86.44,24.25 84.66,24.25 79.96,19.55 v1(79.2,19.55) 62.82,19.55 62.31,20.05 57.61,20.05 56.98,20.69 53.04,20.69 50.88,22.85 46.1,22.85 JP6.3
5V_USB_STLK: length 49.1
  TOP w0.508: 84.66,26.4 SB18.2 85.93,25.13
  BOTTOM w0.762: v1(86.19,22.85) v1(85.17,22.85) 80.6,18.28 57.49,18.28 56.77,18.99 52.2,18.99 49.61,21.58 46.94,21.58 44.38,19.01 JP6.1
+1V8: length 165.9
  TOP w0.127: U12.D8 v3(69.67,27.52)
  TOP w0.191: U12.D1 73.85,27.68 ; U12.G9 69.18,29.33
  TOP w0.229: 69.18,29.33 C57.1
  TOP w0.254: U4.28 18.11,70.83 v4(18.11,70.82) ; U4.30 18.24,69.83 18.12,69.7 v4(18.11,69.7)
  TOP w0.381: 73.85,27.68 74.24,27.68 74.88,27.04 76.28,27.04 C60.1
  TOP w0.508: C10.1 45.17,78.78 45.42,79.03 v4(45.42,79.06) 45.42,81.01 44.26,82.17 38.19,82.17 36.91,80.89 v4(36.91,68.06) ; 89.38,42.58 U8.2 ; U8.2 91.59,42.58 ; U8.2 90.49,41.87 ; U8.2 90.49,43.29 ; TP2.1 85.58,37.94 ; TP2.1 84.87,38.65 ; TP2.1 84.87,37.22 ; TP2.1 84.15,37.94 ; C42.1 87.28,38.9 ; C42.1 87.28,36.97 ; C42.1 86.44,37.94 ; U8.4 84.19,44.44 ; U8.4 84.19,40.73 ; U8.4 83.08,42.58 ; U8.4 85.29,42.58 ; v4(67.42,30.72) 66.38,30.72 C56.1 ; R32.1 13.29,65.52 v4(13.42,65.52) ; v4(75.52,27.67) 76.15,27.67 C60.1 ; C57.1 66.86,29.94 v4(67.39,29.94)